# KiCad board Commodore-Vic-20.kicad_pcb (continued)
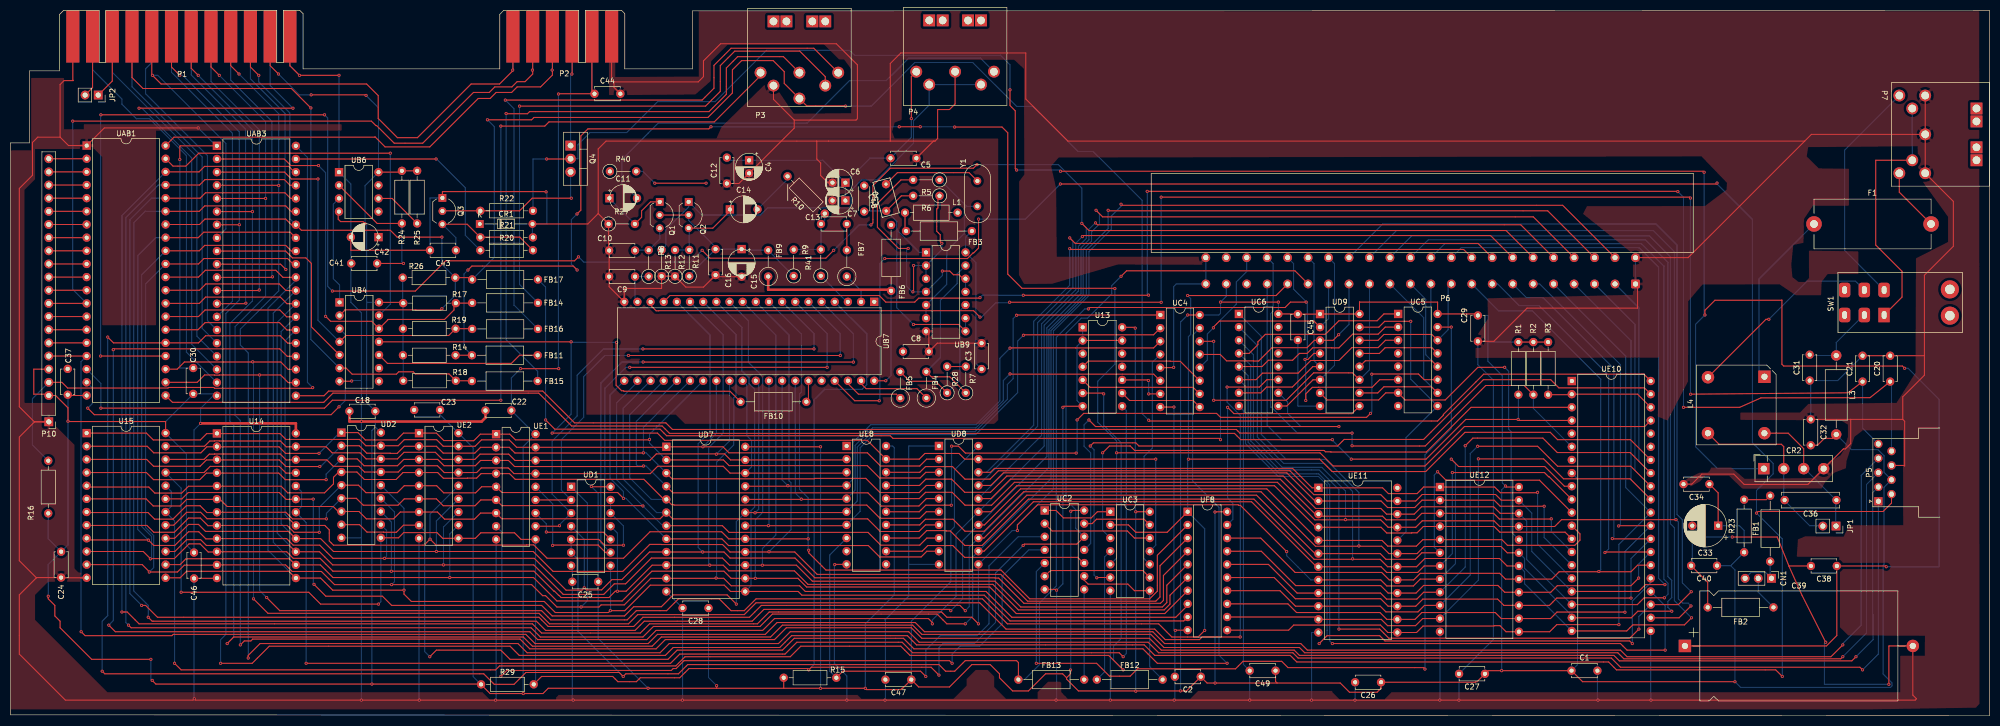
[diagram p0: board, top side]
## Routing (per net, layer and track width the routed paths; a pad name or vN(x,y) marks a point on that pad's centre or on a via; arc(x,y) is an arc through that point) (continued)
/CA12: length 350.5
  Top w0.2: v1(324.46,21.18) 322.17,18.9 UE10.22 ; UE8.16 175.46,41.91 176.68,43.13 181.81,43.13 184.3,40.64 189.43,40.64 193.85,45.06 244.6,45.06 251.85,37.81 257.73,37.81 v1(257.76,37.85) 257.79,37.81 264.55,37.81 265.99,36.37 UE11.21 271.32,36.37 272.58,37.63 286.43,37.63 287.53,36.53 UE12.21 298.15,36.53 299.47,37.85 v1(321.56,37.85)
  Bottom w0.2: v1(257.76,37.85) 257.76,43.38 253.19,47.96 245.57,47.96 239.98,53.54 239.98,69.7 UC6.3 ; P6.R 267.62,93.68 317.2,93.68 321.26,89.61 321.26,38.15 v1(321.56,37.85) 322.02,37.39 322.02,22.56 322.84,21.73 323.91,21.73 v1(324.46,21.18)
/CA13: length 309.6
  Top w0.2: UC5.1 265.18,77.57 263.86,76.25 256.49,76.25 253.87,73.63 242.29,73.63 240.84,72.19 240.84,71.63 239.17,69.95 UC6.4 ; UE10.23 322.02,21.44 v1(324.51,23.93) ; v1(314.4,16.71) 312.64,14.95 266.12,14.95 264.36,16.71 v1(256.49,16.71)
  Bottom w0.2: P6.S 264.94,94.95 317.7,94.95 321.77,90.88 321.77,38.85 322.78,37.83 322.78,25.65 v1(324.51,23.93) ; v1(256.49,16.71) 256.49,43.64 252.68,47.45 245.06,47.45 239.47,53.04 239.47,67.67 UC6.4 ; v1(314.4,16.71) 314.4,19.15 UE10.23
/CA14: length 176.6
  Top w0.2: UC6.5 241.66,67.41 242.87,68.63 247.55,68.63 248.87,69.95 250.34,69.95 251.43,71.04 255.1,71.04 255.12,71.02 256.49,71.02 259.13,73.66 264.06,73.66 265.43,75.03 UC5.2 ; v1(319.48,12.65) 312.12,12.65 310.85,13.92 v1(255.22,13.92)
  Bottom w0.2: v1(319.48,12.65) 319.48,21.18 UE10.24 ; v1(255.22,13.92) 254.71,14.43 254.71,44.57 252.6,46.69 245.06,46.69 238.96,52.78 238.96,65.63 UC6.5
/CA15: length 172.8
  Top w0.2: UC6.6 240.49,64.87 241.76,66.14 248.62,66.14 251.05,68.58 256.49,68.58 258.98,71.07 264.06,71.07 265.48,72.49 UC5.3 ; v1(313.13,13.92) 312.62,14.43 265.38,14.43 264.36,15.44 254.2,15.44 v1(252.68,13.92)
  Bottom w0.2: UE10.25 316.69,25.67 313.13,22.11 v1(313.13,13.92) ; v1(252.68,13.92) 254.2,15.44 254.2,44.52 252.54,46.18 244.81,46.18 238.46,52.53 238.46,63.6 UC6.6
/CD0: length 153.3
  Top w0.2: UF8.16 242.88,29.21 248.41,23.67 UE11.9 264.52,23.67 265.68,22.5 271.53,22.5 272.85,23.83 UE12.9 ; UE10.33 312.72,50.8 298.65,50.8 295.86,53.59 282.35,53.59 v1(280.87,52.12)
  Bottom w0.2: UE12.9 280.87,28.7 v1(280.87,52.12) ; P6.2 314.4,78.75 314.4,49.12 UE10.33
/CD1: length 157.2
  Top w0.2: UE12.10 273,21.29 271.75,20.03 265.56,20.03 264.46,21.13 UE11.10 248.11,21.13 245.12,24.12 UF8.14 ; v1(283.26,52.02) 294.84,52.02 298.7,48.16 312.83,48.16 UE10.32
  Bottom w0.2: v1(283.26,52.02) 281.84,50.6 281.84,27.13 UE12.10 ; UE10.32 313.64,47.35 313.64,75.56 P6.3
/CD2: length 160.5
  Top w0.2: UE10.31 312.71,45.74 299.85,45.74 296.01,49.58 v1(283.41,49.58) ; UF8.12 252.07,19.05 UE11.11 264.67,18.59 265.89,17.37 271.27,17.37 272.64,18.75 UE12.11
  Bottom w0.2: v1(283.41,49.58) 283.41,26.16 UE12.11 ; P6.4 312.88,72.38 312.88,45.57 UE10.31
/CD3: length 154.3
  Top w0.2: UF8.11 246.78,16.51 247.77,17.49 264.5,17.49 265.94,16.05 UE11.13 271.48,16.05 272.73,17.31 286.39,17.31 286.46,17.37 287.58,17.37 288.75,16.21 UE12.13 297.18,16.21 298.55,17.58 v1(310.54,17.58)
  Bottom w0.2: P6.5 311.86,69.44 311.86,44.04 UE10.30 310.54,33.07 v1(310.54,17.58)
/CD4: length 159.2
  Top w0.2: v1(310.49,36.63) 310.54,36.68 UE10.29 ; UF8.13 246.64,21.59 248.31,19.91 264.41,19.91 265.73,18.59 UE11.14 271.17,18.59 272.49,19.91 286.66,19.91 287.83,18.75 UE12.14 297.33,18.75 298.58,20 311.68,20 v1(311.71,19.96)
  Bottom w0.2: v1(311.71,19.96) 311.71,31.7 UE10.29 ; P6.6 295.25,83.36 310.85,67.77 310.85,36.98 v1(310.49,36.63)
/CD5: length 161.6
  Top w0.2: v1(309.27,34.19) 309.32,34.14 UE10.28 ; v1(312.88,22.71) 298.55,22.71 297.13,21.29 UE12.15 288.34,21.29 287.12,22.5 272.69,22.5 271.32,21.13 UE11.15 265.99,21.13 264.55,22.57 248.09,22.57 244,26.67 UF8.15
  Bottom w0.2: v1(312.88,22.71) 312.88,30.33 UE10.28 ; v1(309.27,34.19) 309.58,34.49 309.58,67.01 295.86,80.72 292.68,80.72 P6.7
/CD6: length 164.3
  Top w0.2: v1(307.85,31.5) 307.95,31.6 UE10.27 ; v1(314.35,26.57) 312.88,25.1 298.65,25.1 297.38,23.83 UE12.16 288.49,23.83 287.17,25.15 272.85,25.15 271.37,23.67 UE11.16 265.99,23.67 264.55,25.11 248.14,25.11 241.51,31.75 UF8.17
  Bottom w0.2: v1(314.35,26.57) 314.35,29.26 UE10.27 ; P6.8 287.12,83.36 291.29,79.2 295.1,79.2 308.56,65.74 308.56,32.21 v1(307.85,31.5)
/CD7: length 157.1
  Top w0.2: UF8.18 241.41,34.28 248.04,27.65 264.75,27.65 266.19,26.21 UE11.17 270.92,26.21 272.19,27.48 287.53,27.48 288.65,26.37 UE12.17 297.59,26.37 299.01,27.79 306.63,27.79 v1(306.68,27.84) 306.73,27.79 312.88,27.79 314.15,29.06 UE10.26
  Bottom w0.2: v1(306.68,27.84) 307.04,28.19 307.04,64.97 293.83,78.18 287.32,78.18 P6.9
/VA0: length 207.2
  Top w0.2: UD7.8 137.36,34.14 138.65,32.85 165.63,32.85 167.83,30.65 175.84,30.65 176.94,31.75 UD8.9 ; v1(118.36,41.96) 117.25,43.08 94.89,43.08 UE1.5 90.98,44.2 89.81,43.03 83.67,43.03 82.3,44.4 UE2.5 76.05,44.4 74.71,43.06 68.65,43.06 67.21,44.5 UD2.5 ; U14.8 53.44,36.73 54.76,35.41 v1(59.64,35.41) ; 39.88,36.68 38.15,36.68 36.68,38.15 34.39,38.15 31.65,35.41 27.69,35.41 26.37,36.73 14.78,36.73 U15.8
  Bottom w0.2: UD2.5 59.64,40.23 v1(59.64,35.41) ; UB7.21 115.77,61.93 115.77,45.85 118.36,43.26 v1(118.36,41.96) 118.82,41.96 UD7.8
/VA1: length 203.7
  Top w0.2: UD2.6 66.8,41.96 68.12,40.64 74.83,40.64 76.05,41.86 UE2.6 82.25,41.86 83.57,40.54 89.71,40.54 90.83,41.66 UE1.6 94.88,40.56 122.05,40.56 v1(122.12,40.49) ; U15.7 14.83,39.22 26.57,39.22 27.84,37.95 31.39,37.95 33.99,40.54 36.63,40.54 37.95,39.22 39.88,39.22 ; UD8.8 176.94,34.29 175.56,32.92 168.05,32.92 165.57,35.39 138.75,35.39 137.46,36.68 UD7.7 ; v1(61.01,38) 54.46,38 53.19,39.27 U14.7
  Bottom w0.2: UB7.22 121.06,64.41 117.04,60.4 117.04,45.57 v1(122.12,40.49) 125.93,36.68 UD7.7 ; v1(61.01,38) 61.01,39.07 UD2.6
/VA2: length 204
  Top w0.2: UD8.7 176.68,36.83 175.41,35.56 167.94,35.56 165.51,38 127.86,38 UD7.6 125.44,38.02 94.88,38.02 UE1.7 90.78,39.12 89.61,37.95 83.82,37.95 82.45,39.32 UE2.7 75.29,39.32 73.96,38 68.73,38 67.31,39.42 UD2.7 63.3,39.42 62.33,40.39 41.86,40.39 40.49,41.76 34.04,41.76 32.77,40.49 27.58,40.49 26.21,41.86 U15.6
  Bottom w0.2: UB7.23 118.31,59.39 118.31,45.67 124.76,39.22 UD7.6
/VA3: length 204.9
  Top w0.2: U15.5 14.99,44.15 26.72,44.15 27.89,42.98 33.07,42.98 34.39,44.3 52.27,44.3 53.54,43.03 60.66,43.03 62.38,44.75 62.38,46.02 63.4,47.04 UD2.4 66.9,47.04 68.34,45.6 74.46,45.6 75.79,46.94 UE2.4 82.5,46.94 83.6,45.84 88.21,45.84 88.24,45.87 90.02,45.87 90.88,46.74 UE1.4 96.37,46.74 97.47,45.64 122.31,45.64 126.19,41.76 UD7.5 127.66,40.74 128.07,40.74 128.15,40.66 165.34,40.66 167.89,38.1 175.56,38.1 176.83,39.37 UD8.6
  Bottom w0.2: UD7.5 123.75,41.76 119.58,45.92 119.58,58.12 UB7.24
/VA4: length 195.7
  Top w0.2: U15.4 26.26,46.94 27.64,45.57 36.58,45.57 37.85,46.84 51.82,46.84 53.09,45.57 v1(60.96,45.57) ; v1(122.22,48.21) 122.12,48.11 97.33,48.11 96.16,49.28 UE1.3 90.78,49.28 89.76,48.26 83.72,48.26 82.5,49.48 UE2.3 75.95,49.48 74.73,48.26 68.28,48.26 66.95,49.58 UD2.3 ; UD7.4 127.91,43.03 165.56,43.03 168.11,40.47 173.41,40.47 173.43,40.49 175.41,40.49 176.83,41.91 UD8.5
  Bottom w0.2: UB7.25 120.85,56.85 120.85,48.46 121.11,48.21 v1(122.22,48.21) 122.73,48.21 UD7.4 ; v1(60.96,45.57) 60.96,46.63 UD2.3
/VA5: length 191.9
  Top w0.2: UD2.2 67.36,52.12 68.8,50.68 73.32,50.68 73.36,50.65 74.68,50.65 76.05,52.02 UE2.2 82.25,52.02 83.57,50.7 89.66,50.7 90.78,51.82 UE1.2 96.32,51.82 97.42,50.72 122.19,50.72 v1(122.22,50.75) ; UD8.4 176.83,44.45 175.46,43.08 167.89,43.08 165.15,45.82 155.3,45.82 155.21,45.74 127.74,45.74 UD7.3 ; U15.3 26.31,49.48 27.64,48.16 36.63,48.16 37.85,49.38 51.92,49.38 53.19,48.11 v1(59.74,48.11)
  Bottom w0.2: v1(59.74,48.11) 59.89,48.11 UD2.2 ; UB7.26 122.22,55.68 v1(122.22,50.75) 122.73,50.75 UD7.3
/VA6: length 190.1
  Top w0.2: v1(123.39,53.34) 123.31,53.26 97.52,53.26 96.42,54.36 UE1.1 90.73,54.36 89.46,53.09 88.09,53.09 88.05,53.12 83.69,53.12 82.25,54.56 UE2.1 75.9,54.56 74.57,53.24 68.53,53.24 67.11,54.66 UD2.1 ; v1(59.59,50.65) 53.14,50.65 51.87,51.92 37.95,51.92 36.78,50.75 27.69,50.75 26.42,52.02 U15.2 ; UD7.2 137.67,49.38 138.77,48.28 165.44,48.28 167.83,45.89 175.63,45.89 176.73,46.99 UD8.3
  Bottom w0.2: v1(59.59,50.65) 63.6,54.66 UD2.1 ; UB7.27 123.39,54.31 v1(123.39,53.34) 123.39,52.63 UD7.2
/VA7: length 184.6
  Top w0.2: U15.1 26.26,54.56 27.58,53.24 36.68,53.24 37.9,54.46 52.07,54.46 53.19,53.34 67.41,53.34 68.63,52.12 UD2.17 74.88,52.12 76.05,53.29 82.3,53.29 83.57,52.02 UE2.17 89.71,52.02 90.95,53.26 94.98,53.26 95,53.24 96.32,53.24 97.74,51.82 UE1.17 126.54,51.82 UD7.1 v1(133.71,51.92) 137.57,51.92 138.73,50.75 165.46,50.75 168,48.21 175.56,48.21 176.89,49.53 UD8.2
  Bottom w0.2: UB7.28 136.3,54.51 v1(133.71,51.92)
/VA8: length 151.7
  Top w0.2: UE8.2 161.29,49.38 UD7.23 139.04,49.38 137.87,50.55 136.35,50.55 v1(136.3,50.5) 136.25,50.55 124.71,50.55 123.44,49.28 UE1.16 97.43,49.28 96.22,50.5 90.68,50.5 89.66,49.48 UE2.16 83.41,49.48 82.04,50.85 76,50.85 74.73,49.58 UD2.16 68.68,49.58 67.51,50.75 62.13,50.75 60.96,51.92 53.24,51.92 52.12,53.04 40.37,53.04 40.33,53.07 39.42,53.07 39.39,53.04 38.5,53.04 37.48,52.02 U15.23
  Bottom w0.2: UB7.29 138.84,53.04 v1(136.3,50.5)
/VA9: length 155.5
  Top w0.2: U15.22 37.38,49.48 38.4,50.5 39.39,50.5 39.42,50.53 52.09,50.53 53.24,49.38 61.11,49.38 62.35,48.14 67.28,48.14 68.38,47.04 UD2.15 74.88,47.04 76.1,48.26 82.45,48.26 83.77,46.94 UE2.15 90.02,46.94 90.91,47.84 96.08,47.84 96.16,47.75 96.22,47.75 97.23,46.74 UE1.15 123.55,46.74 124.97,48.16 137.62,48.16 138.94,46.84 UD7.22 161.29,46.84 UE8.3
  Bottom w0.2: UB7.30 142.19,63.86 142.19,54.05 143.1,53.14 143.1,48.06 UD7.22
/VA10: length 287.5
  Top w0.2: UD7.19 143.71,39.22 v1(143.76,39.17) 143.81,39.22 161.29,39.22 UE8.6 ; 55.12,41.76 53.24,41.76 51.92,43.08 34.34,43.08 33.12,41.86 U15.19 ; U14.19 v1(58.47,41.81) ; v1(140.16,21.54) 138.38,23.32 127.97,23.32 125.68,21.03 120.35,21.03 118.57,19.25 104.6,19.25 102.57,21.29 73.61,21.29 71.83,23.06 60.91,23.06 v1(58.62,25.35) ; UC4.1 194.31,77.37 v1(194.26,77.32)
  Bottom w0.2: UD7.19 140.16,37.49 v1(140.16,21.54) ; UE8.6 163.5,41.43 163.5,51.87 166.47,54.84 186.28,54.84 186.28,54.88 192.48,61.07 192.48,63.96 193.59,65.07 193.59,76.65 v1(194.26,77.32) ; v1(143.76,39.17) 144.48,39.88 144.48,64.11 UB7.31 ; v1(58.62,25.35) 58.47,25.5 v1(58.47,41.81)
/VA11: length 137
  Top w0.2: UC4.2 220.71,73.55 195.67,73.55 v1(195.58,73.46) ; UE8.7 161.29,36.68 v1(146.35,36.68) UD7.18
  Bottom w0.2: UB7.32 146.46,36.78 v1(146.35,36.68) ; v1(195.58,73.46) 194.46,72.34 194.46,62.38 186.36,54.28 166.6,54.28 164.06,51.74 164.06,39.45 UE8.7
/VA12: length 121.5
  Top w0.2: UD7.21 150.01,44.3 v1(150.11,44.4) 150.22,44.3 161.29,44.3 UE8.4 ; v1(192.99,70.97) 193.04,71.02 205.69,71.02 205.7,71.01 220.71,71.01 UC4.3
  Bottom w0.2: v1(192.99,70.97) 191.03,69.01 191.03,60.76 186.46,56.18 166.09,56.18 162.69,52.78 162.69,45.69 UE8.4 ; v1(150.11,44.4) 149,45.52 UB7.33
/VA13: length 121.4
  Top w0.2: UC4.6 220.73,65.94 193.04,65.94 v1(192.99,65.99) ; UE8.5 161.29,41.76 152.76,41.76 v1(152.7,41.81) 152.65,41.76 UD7.20
  Bottom w0.2: UE8.5 163.09,43.55 163.09,52.19 166.47,55.58 186.42,55.58 191.69,60.85 191.69,64.69 v1(192.99,65.99) ; v1(152.7,41.81) 151.54,42.98 UB7.34
/VD8: length 97.6
  Top w0.2: v1(155.14,70.82) v1(122.12,70.82) ; v1(106.02,36.68) 105.92,36.58 UE1.11
  Bottom w0.2: v1(122.12,70.82) 114.5,70.82 109.42,65.74 109.42,57.86 104.6,53.04 104.6,42.77 UD1.3 106.02,36.88 v1(106.02,36.68) ; v1(155.14,70.82) 155.14,73.76 UB7.8
/VD9: length 106.9
  Top w0.2: v1(103.48,35.46) 103.53,35.41 114.5,35.41 UD1.10 ; v1(157.68,67.26) v1(119.58,67.26)
  Bottom w0.2: UE1.12 103.48,37.03 v1(103.48,35.46) ; v1(157.68,67.26) 157.68,73.76 UB7.7 ; UD1.10 114.77,35.14 114.77,63.22 118.82,67.26 v1(119.58,67.26)
/VD10: length 97.4
  Top w0.2: UE1.13 UD1.2 ; v1(119.33,69.55) v1(160.22,69.55)
  Bottom w0.2: v1(119.33,69.55) 114.76,69.55 110.69,65.48 110.69,57.61 106.38,53.29 106.38,43.54 UD1.2 ; UB7.6 160.22,73.76 v1(160.22,69.55)
/VD11: length 122.6
  Top w0.2: v1(104.7,32.87) 104.77,32.94 113.47,32.94 114.91,31.5 UD1.9 ; v1(162.76,68.28) 122.19,68.28 v1(122.17,68.29)
  Bottom w0.2: UD1.9 114,33.38 114,64.21 118.08,68.29 v1(122.17,68.29) ; UB7.5 162.76,73.76 v1(162.76,68.28) ; v1(104.7,32.87) 104.7,40.89 UE1.14
BLK0: length 168.7
  Top w0.2: v1(198.07,10.11) 209.7,10.11 212.19,7.62 216.18,7.62 217.6,9.04 236.52,9.04 237.97,10.49 245.44,10.49 246.66,9.27 272.82,9.27 v1(273.1,8.99) ; UC5.15 v1(278.18,75.03)
  Bottom w0.2: v1(278.18,75.03) 278.18,55.45 273.1,50.37 v1(273.1,8.99) ; v1(198.07,10.11) 198.07,27.84 UC2.5
BLK1: length 28
  Top w0.2: UD9.14 264.04,72.48 265.18,73.61 274.42,73.61 UC5.14
  Bottom w0.2: P6.10 277.57,82.74 277.57,74.52 UC5.14
BLK2: length 29.9
  Top w0.2: UD9.13 264.3,69.94 265.41,71.05 274.44,71.05 UC5.13
  Bottom w0.2: P6.11 274.24,71.25 UC5.13
BLK3: length 34.1
  Top w0.2: UD9.12 261.59,68.53 274.42,68.53 UC5.12
  Bottom w0.2: P6.12 273.25,80.4 273.25,69.7 UC5.12
BLK4: length 497
  Top w0.2: UE8.15 175.46,39.37 176.73,40.64 v1(181.66,40.64) ; v1(324.56,18.9) 323.19,17.53 313.23,17.53 312.06,16.36 UE10.20 ; UE8.13 175.46,34.29 176.9,35.73 180.68,35.73 180.75,35.66 181.46,35.66 184.25,32.87 187.6,32.87 196.55,41.81 240.08,41.81 251.7,30.19 259.05,30.19 v1(259.13,30.28) 259.21,30.19 264.45,30.19 265.89,28.75 UE11.18 271.48,28.75 273.07,30.35 287.51,30.35 288.95,28.91 UE12.18 ; UC5.11 272.95,64.87 271.85,65.97 262.87,65.97 v1(262.84,65.94) ; v1(205.77,50.7) 184.38,50.7 183.03,52.04 v1(181.71,52.04) ; v1(205.94,57.1) 207.21,58.37 232.87,58.37 233.63,57.61 261.82,57.61 v1(262.59,58.37)
  Bottom w0.2: UE12.18 292.34,27.81 292.34,25.47 UE10.20 ; v1(259.13,30.28) 259.13,43.28 253.7,48.72 245.82,48.72 240.74,53.8 240.74,71.48 UC6.2 ; P6.P 270.56,92.66 316.43,92.66 320.5,88.6 320.5,37.04 321.26,36.28 321.26,22.2 v1(324.56,18.9) ; v1(181.66,40.64) 181.71,40.69 v1(181.71,52.04) ; v1(262.84,65.94) 262.84,58.62 v1(262.59,58.37) ; v1(205.77,50.7) 205.94,50.88 v1(205.94,57.1)
BLK5: length 40.9
  Top w0.2: UD9.10 263.99,62.32 265.18,63.5 274.37,63.5 UC5.10
  Bottom w0.2: P6.13 272.85,76.85 272.85,65.02 UC5.10
BLK6: length 58
  Top w0.2: v1(270.36,76.15) 265.33,76.15 264.2,75.02 UD9.15
  Bottom w0.2: v1(270.36,76.15) 270.36,64.97 UC5.9 269.44,53.7 269.44,35.51 UE11.20
BLK7: length 74.4
  Top w0.2: v1(288.49,67.26) 283.31,67.26 277.01,60.96 269.29,60.96 UC5.7 265.53,62.33 264.16,60.96 254.2,60.96 UD9.7
  Bottom w0.2: v1(288.49,67.26) 289.26,66.5 289.26,55.32 289.74,54.84 289.74,35.48 UE12.20
CENB: length 90.7
  Top w0.2: R15.2 160.73,8.59 175.72,8.59 v1(176.73,7.57)
  Bottom w0.2: UE8.8 158.19,31.04 158.19,8.59 R15.2 ; v1(176.73,7.57) 176.73,12.65 179.53,15.44 186.64,15.44 188.93,17.73 188.93,28.91 194.56,34.54 UC2.3
COLOR: length 40.1
  Top w0.2: UE8.12 176.02,31.75 177.12,32.85 181.93,32.85 184.22,30.56 206.06,30.56 207.16,29.46 UC2.10
CRW: length 459.5
  Top w0.2: v1(230.58,16.46) 229.31,15.19 224.23,15.19 221.69,17.73 192.48,17.73 187.66,22.56 143.97,22.56 141.68,20.27 139.14,20.27 136.86,22.56 128.98,22.56 126.7,20.27 120.85,20.27 119.08,18.49 104.34,18.49 102.57,20.27 52.02,20.27 v1(49.48,22.81) ; UAB3.22 53.64,64.31 52.17,65.79 v1(48.11,65.79) 40.37,65.79 40.33,65.75 39.42,65.75 39.39,65.79 37.49,65.79 36.07,64.36 UAB1.22 ; UC3.2 215.84,36.84 217.27,35.41 223.33,35.41 UF8.1 ; P6.18 244.36,81.13 v1(227.28,81.13) ; v1(227.43,49.53) 252.78,49.53 255.17,47.14 273.25,47.14 280.82,54.71 297.28,54.71 298.7,53.29 312.78,53.29 UE10.34
  Bottom w0.2: v1(230.58,16.46) 230.58,36.07 UF8.1 227.29,49.39 v1(227.43,49.53) 227.43,73.18 227.88,73.62 227.88,80.53 v1(227.28,81.13) ; v1(49.48,22.81) 48.11,24.18 v1(48.11,65.79)
IO2: length 35.4
  Top w0.2: UC6.9 246.43,59.79 251.5,64.86 UD9.6
  Bottom w0.2: UD9.6 255.64,67.66 255.64,87.29 P6.T
IO3: length 39.8
  Top w0.2: UC6.7 241.4,62.33 242.52,63.45 247.5,63.45 251.44,67.4 UD9.5
  Bottom w0.2: UD9.5 251.69,68.55 251.69,87.29 P6.U
IRQ: length 327.2
  Top w0.2: UE10.4 291.29,57 v1(291.08,57.2) 280.97,57.2 273.3,49.53 v1(258.88,49.53) ; UAB1.21 31.29,60.5 60.5,60.5 62.28,62.28 102.01,62.28 108.36,55.93 125.83,55.93 127.25,54.51 236.32,54.51 237.54,53.29 v1(255.22,53.29)
  Bottom w0.2: P6.19 242.64,56.06 245.47,53.24 255.17,53.24 v1(255.22,53.29) 255.22,53.19 v1(258.88,49.53) ; R1.2 291.13,57.25 v1(291.08,57.2)
JOY0: length 491.9
  Top w0.2: P1.4 42.54,125.51 v1(44.15,123.9) ; UAB3.4 51.77,102.41 v1(51.82,102.36) ; v1(45.92,11.13) 45.92,11.63 48.21,13.92 97.99,13.92 99.77,12.14 125.43,12.14 127.2,13.92 148.29,13.92 150.57,16.21 173.43,16.21 175.46,14.17 219.66,14.17 221.69,12.14 247.6,12.14 248.62,11.13 309.07,11.13 310.85,9.35 357.07,9.35 v1(357.58,8.84)
  Bottom w0.2: v1(357.58,8.84) 360.63,11.89 P5.1 ; v1(45.92,11.13) 45.92,70.05 44.4,71.58 44.4,74.63 51.82,82.04 v1(51.82,102.36) 51.82,116.23 v1(44.15,123.9)
JOY1: length 486.5
  Top w0.2: v1(40.34,123.65) 38.73,125.25 P1.5 ; v1(44.4,13.67) 45.16,14.43 46.43,14.43 46.79,14.79 98.39,14.79 100.28,12.9 124.66,12.9 126.44,14.68 147.52,14.68 149.81,16.97 173.94,16.97 175.97,14.94 219.91,14.94 222.2,12.65 247.85,12.65 248.87,11.63 309.58,11.63 310.63,10.58 355.51,10.58 v1(356.31,11.38) ; UAB3.5 v1(49.28,99.87)
  Bottom w0.2: v1(356.31,11.38) 359.61,14.68 359.61,19.51 359.53,19.59 359.53,43.06 P5.2 ; v1(40.34,123.65) 49.28,114.71 v1(49.28,99.87) 49.28,81.03 43.38,75.13 43.38,58.01 44.4,56.99 v1(44.4,13.67)
JOY2: length 487.7
  Top w0.2: UAB3.6 v1(46.74,97.33) ; v1(353.77,11.38) 353.37,10.98 311.5,10.98 310.34,12.14 249.89,12.14 248.87,13.16 222.71,13.16 220.17,15.7 175.97,15.7 174.19,17.48 149.05,17.48 146.76,15.19 125.68,15.19 123.9,13.41 100.79,13.41 99.01,15.19 43.13,15.19 v1(41.86,13.92) ; P1.6 34.92,125 v1(36.27,123.65)
  Bottom w0.2: v1(36.27,123.65) 46.74,113.18 v1(46.74,97.33) 46.74,80.08 42.37,75.71 42.37,56.89 43.13,56.13 43.13,15.19 v1(41.86,13.92) ; P5.3 358.34,44.64 358.34,15.95 v1(353.77,11.38)
JOY3: length 446.5
  Top w0.2: v1(13.67,16.21) 14.43,15.44 31.19,15.44 31.45,15.7 99.52,15.7 101.3,13.92 123.14,13.92 124.92,15.7 145.75,15.7 148.03,17.98 174.7,17.98 176.48,16.21 220.55,16.21 222.83,13.92 249.12,13.92 250.39,12.65 310.85,12.65 312.12,11.38 351.49,11.38 v1(353.77,13.67) ; P10.5 UAB1.17
  Bottom w0.2: v1(353.77,13.67) 353.77,13.92 357.33,17.48 357.33,46.39 P5.4 ; UAB1.17 13.63,68.34 13.63,16.24 v1(13.67,16.21)
L-PEN: length 780.8
  Top w0.2: v1(40.59,10.11) 46.69,10.11 49.99,13.41 96.47,13.41 98.25,11.63 126.44,11.63 127.97,13.16 148.54,13.16 150.83,15.44 173.18,15.44 174.96,13.67 218.9,13.67 220.93,11.63 247.09,11.63 248.36,10.36 308.56,10.36 310.08,8.84 340.82,8.84 v1(342.09,7.57) ; UAB3.7 v1(44.2,94.79) ; UB7.37 163.02,60.81 v1(167.74,60.81) ; v1(329.49,102.84) 329.31,102.67 v1(202.72,102.67) ; v1(186.92,95.89) 186.92,90.3 185.98,89.36 185.86,89.36 184.77,88.27 v1(168.81,88.27) ; P5.6 363.17,41.05 361.54,39.42 337.41,39.42 v1(337.11,39.12) ; v1(32.72,123.65) 31.11,125.25 P1.7
  Bottom w0.2: v1(202.72,102.67) 195.94,95.89 v1(186.92,95.89) ; v1(168.81,88.27) 167.88,87.33 167.88,60.94 v1(167.74,60.81) ; v1(32.72,123.65) 33.28,123.65 44.2,112.73 v1(44.2,94.79) 44.2,80.26 41.61,77.67 41.61,15.7 40.59,14.68 v1(40.59,10.11) ; v1(329.49,102.84) 329.49,102.67 336.32,95.83 336.32,52.69 340.33,48.68 340.33,46.7 337.11,43.48 v1(337.11,39.12) 342.09,34.14 v1(342.09,7.57)
NMI: length 311.2
  Top w0.2: R2.2 292.25,63.75 284.84,63.75 273.15,52.07 259.08,52.07 v1(259.03,52.12) ; UAB3.21 60.55,61.77 61.46,62.68 102.77,62.68 108.92,56.54 126.54,56.54 127.81,55.27 236.68,55.27 237.39,54.56 v1(259.03,54.56)
  Bottom w0.2: v1(259.03,52.12) v1(259.03,54.56) 248.48,54.56 243.48,59.56 243.31,59.56 243.31,77.63 243.79,78.11 243.79,87.29 P6.W ; UE10.6 294.03,59.33 R2.2
RAM1: length 64.3
  Top w0.2: UD9.11 259.13,66.19 251.61,66.19 246.33,60.91 v1(232.31,60.91) ; UC4.14 v1(232.31,72.29)
  Bottom w0.2: UD9.11 262.39,66.79 P6.14 ; v1(232.31,72.29) v1(232.31,60.91)
RAM2: length 40.1
  Top w0.2: UC4.13 233.58,69.75 234.82,68.51 240,68.51 240.03,68.48 241,68.48 243.57,71.05 250.32,71.05 251.75,72.48 UD9.3 255.36,72.48 v1(256.44,73.56)
  Bottom w0.2: P6.15 258.44,75.56 v1(256.44,73.56)
RAM3: length 39.5
  Top w0.2: UD9.2 251.66,76.2 233.43,76.2 232.26,75.03 v1(232.26,74.88)
  Bottom w0.2: P6.16 254.49,76.67 UD9.2 ; v1(232.26,74.88) 231.09,73.71 231.09,68.68 UC4.12
Serial_1: length 194.2
  Top w0.2: v1(94.69,60.91) 62.18,60.91 60.66,59.39 v1(17.48,59.39) ; v1(94.69,113.84) 103.17,113.84 103.99,114.66 135.89,114.66 144.83,123.59 P3.1
  Bottom w0.2: v1(17.48,59.39) 17.48,64.16 UAB1.18 ; v1(94.69,113.84) v1(94.69,60.91)
Serial_3: length 119.7
  Top w0.2: P3.3 149.24,127.25 140.41,127.25 138.23,125.07 138.23,119.99 134.87,116.64 100.23,116.64 99.82,116.23 95.76,116.23 v1(95.71,116.28)
  Bottom w0.2: v1(95.71,116.28) 95.71,72.59 101.8,66.5 FB15.1
Serial_4: length 109.6
  Top w0.2: v1(98.3,117.7) 134.21,117.7 137.06,120.55 137.06,125.53 139.85,128.32 152.4,128.32 157.33,123.39 P3.4